# KiCad board Panelized Board.kicad_pcb
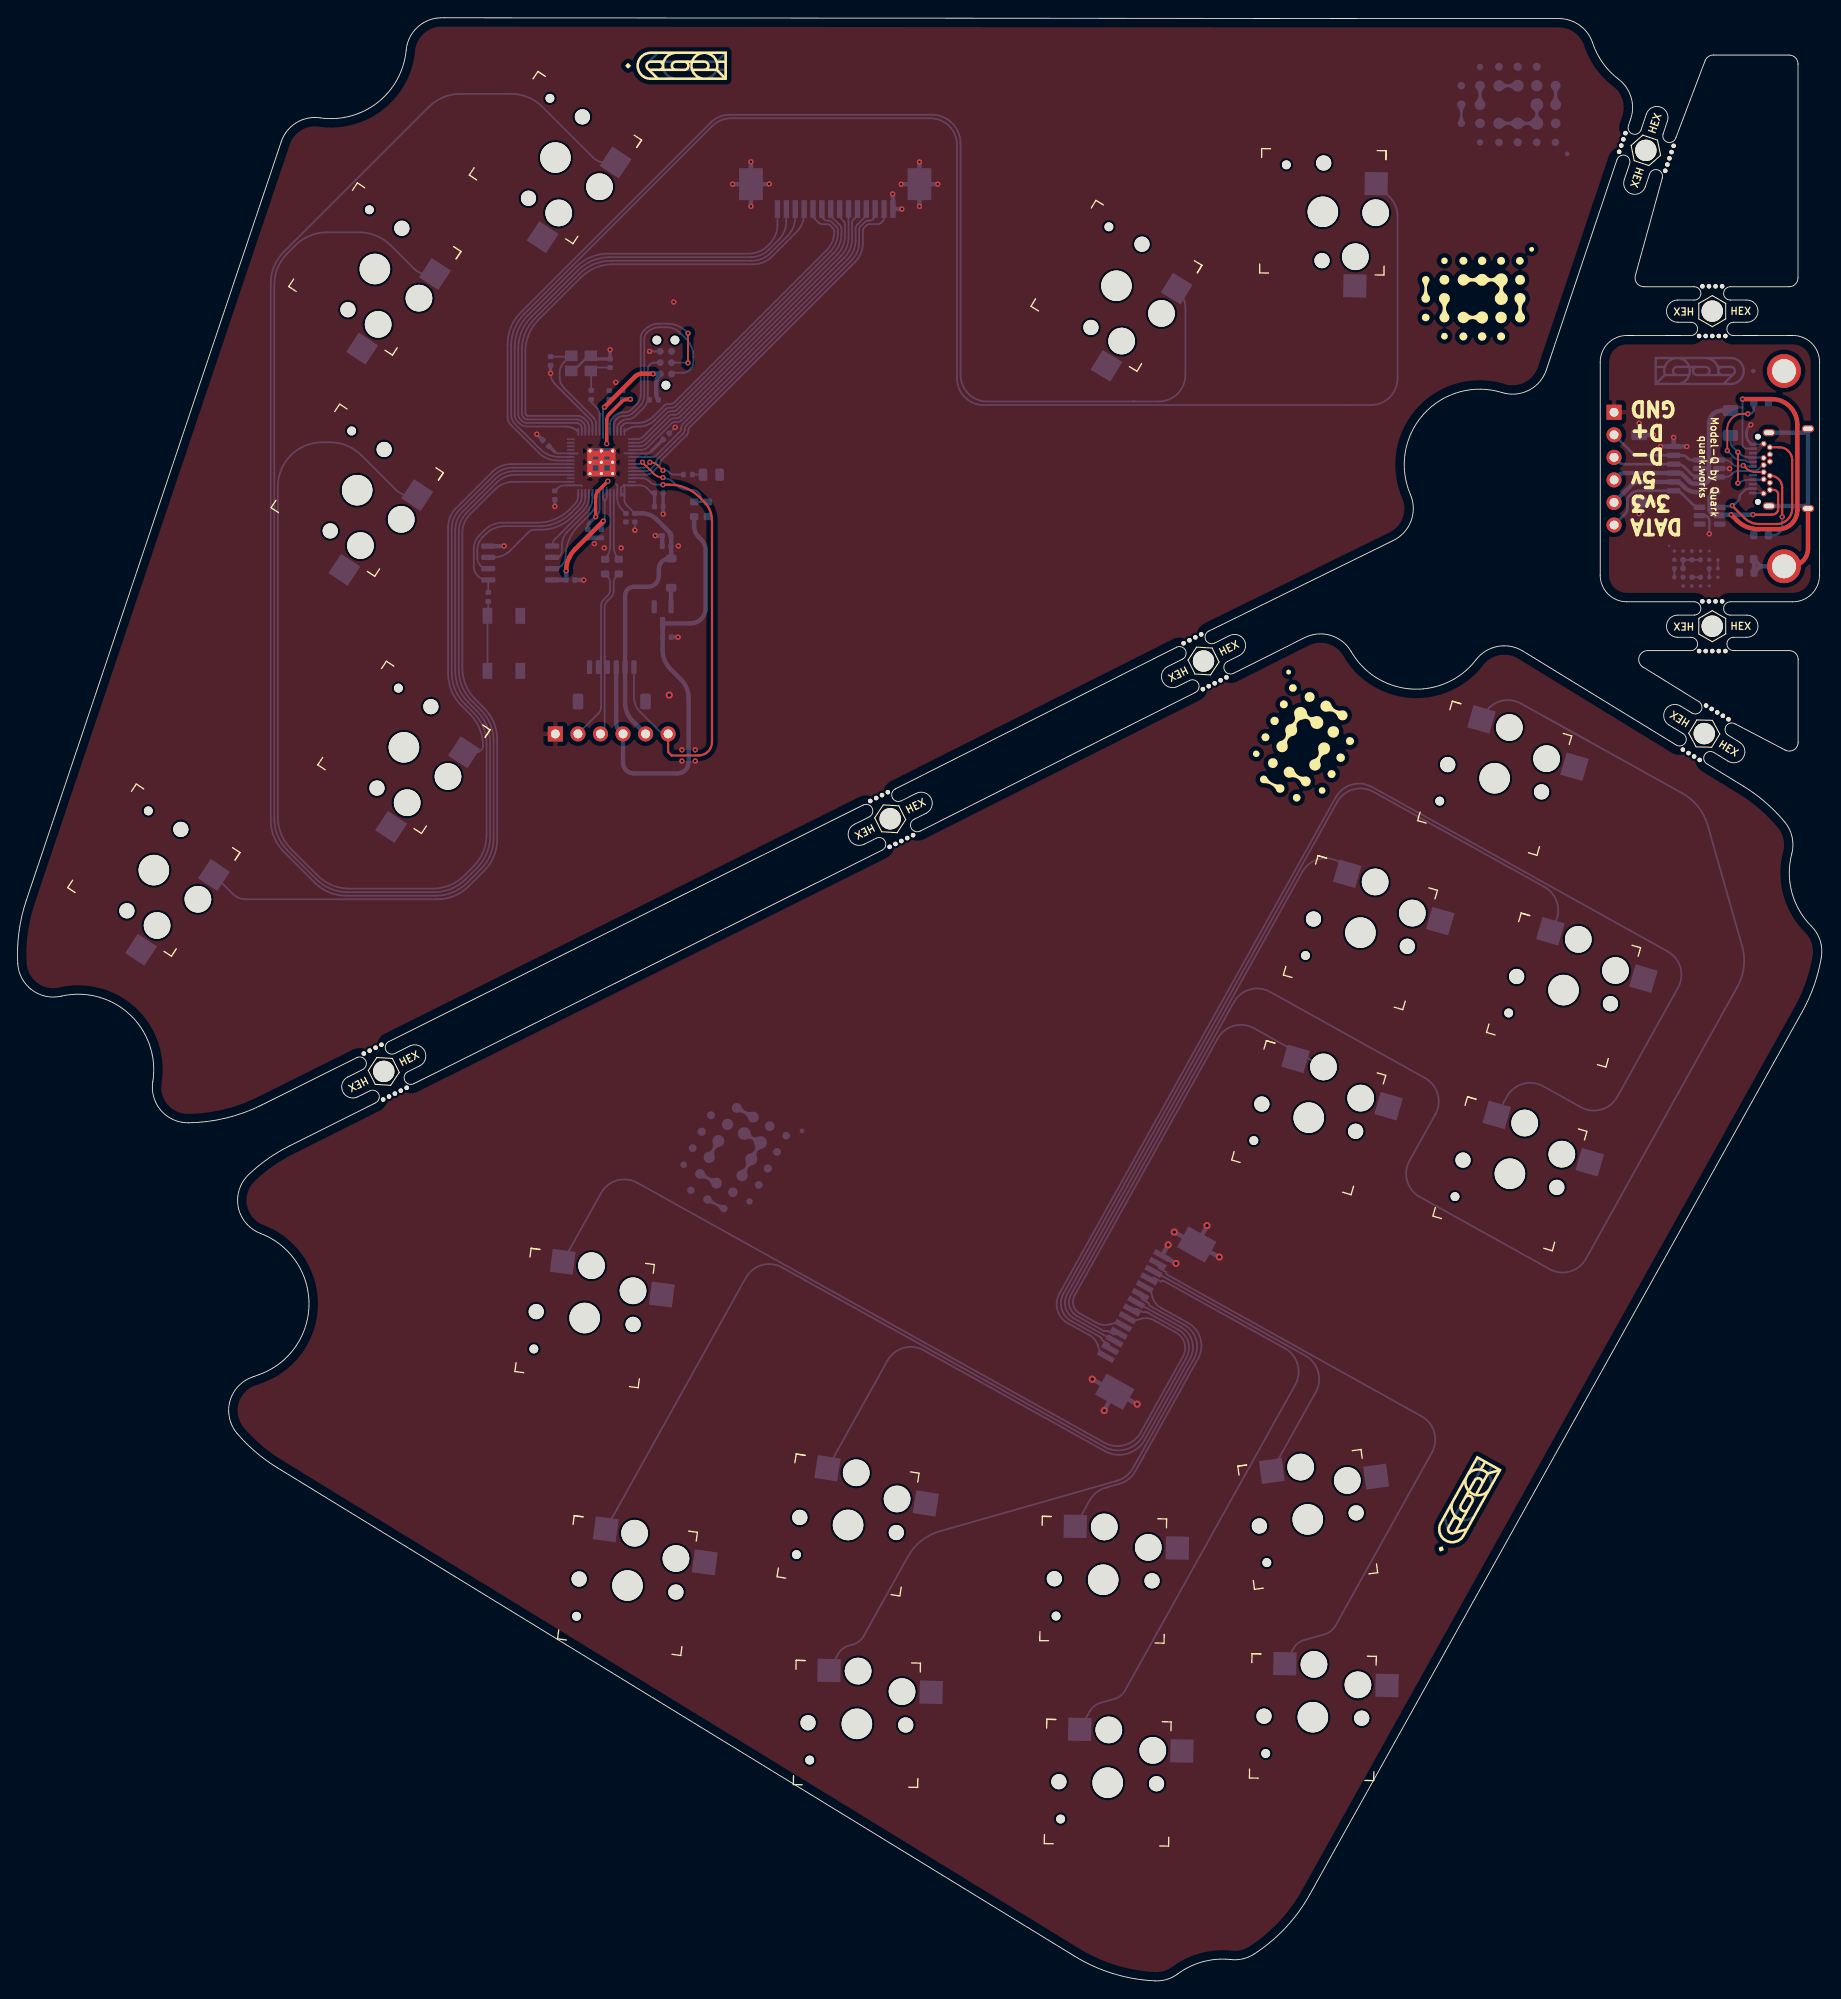
[diagram p0: board, top side]
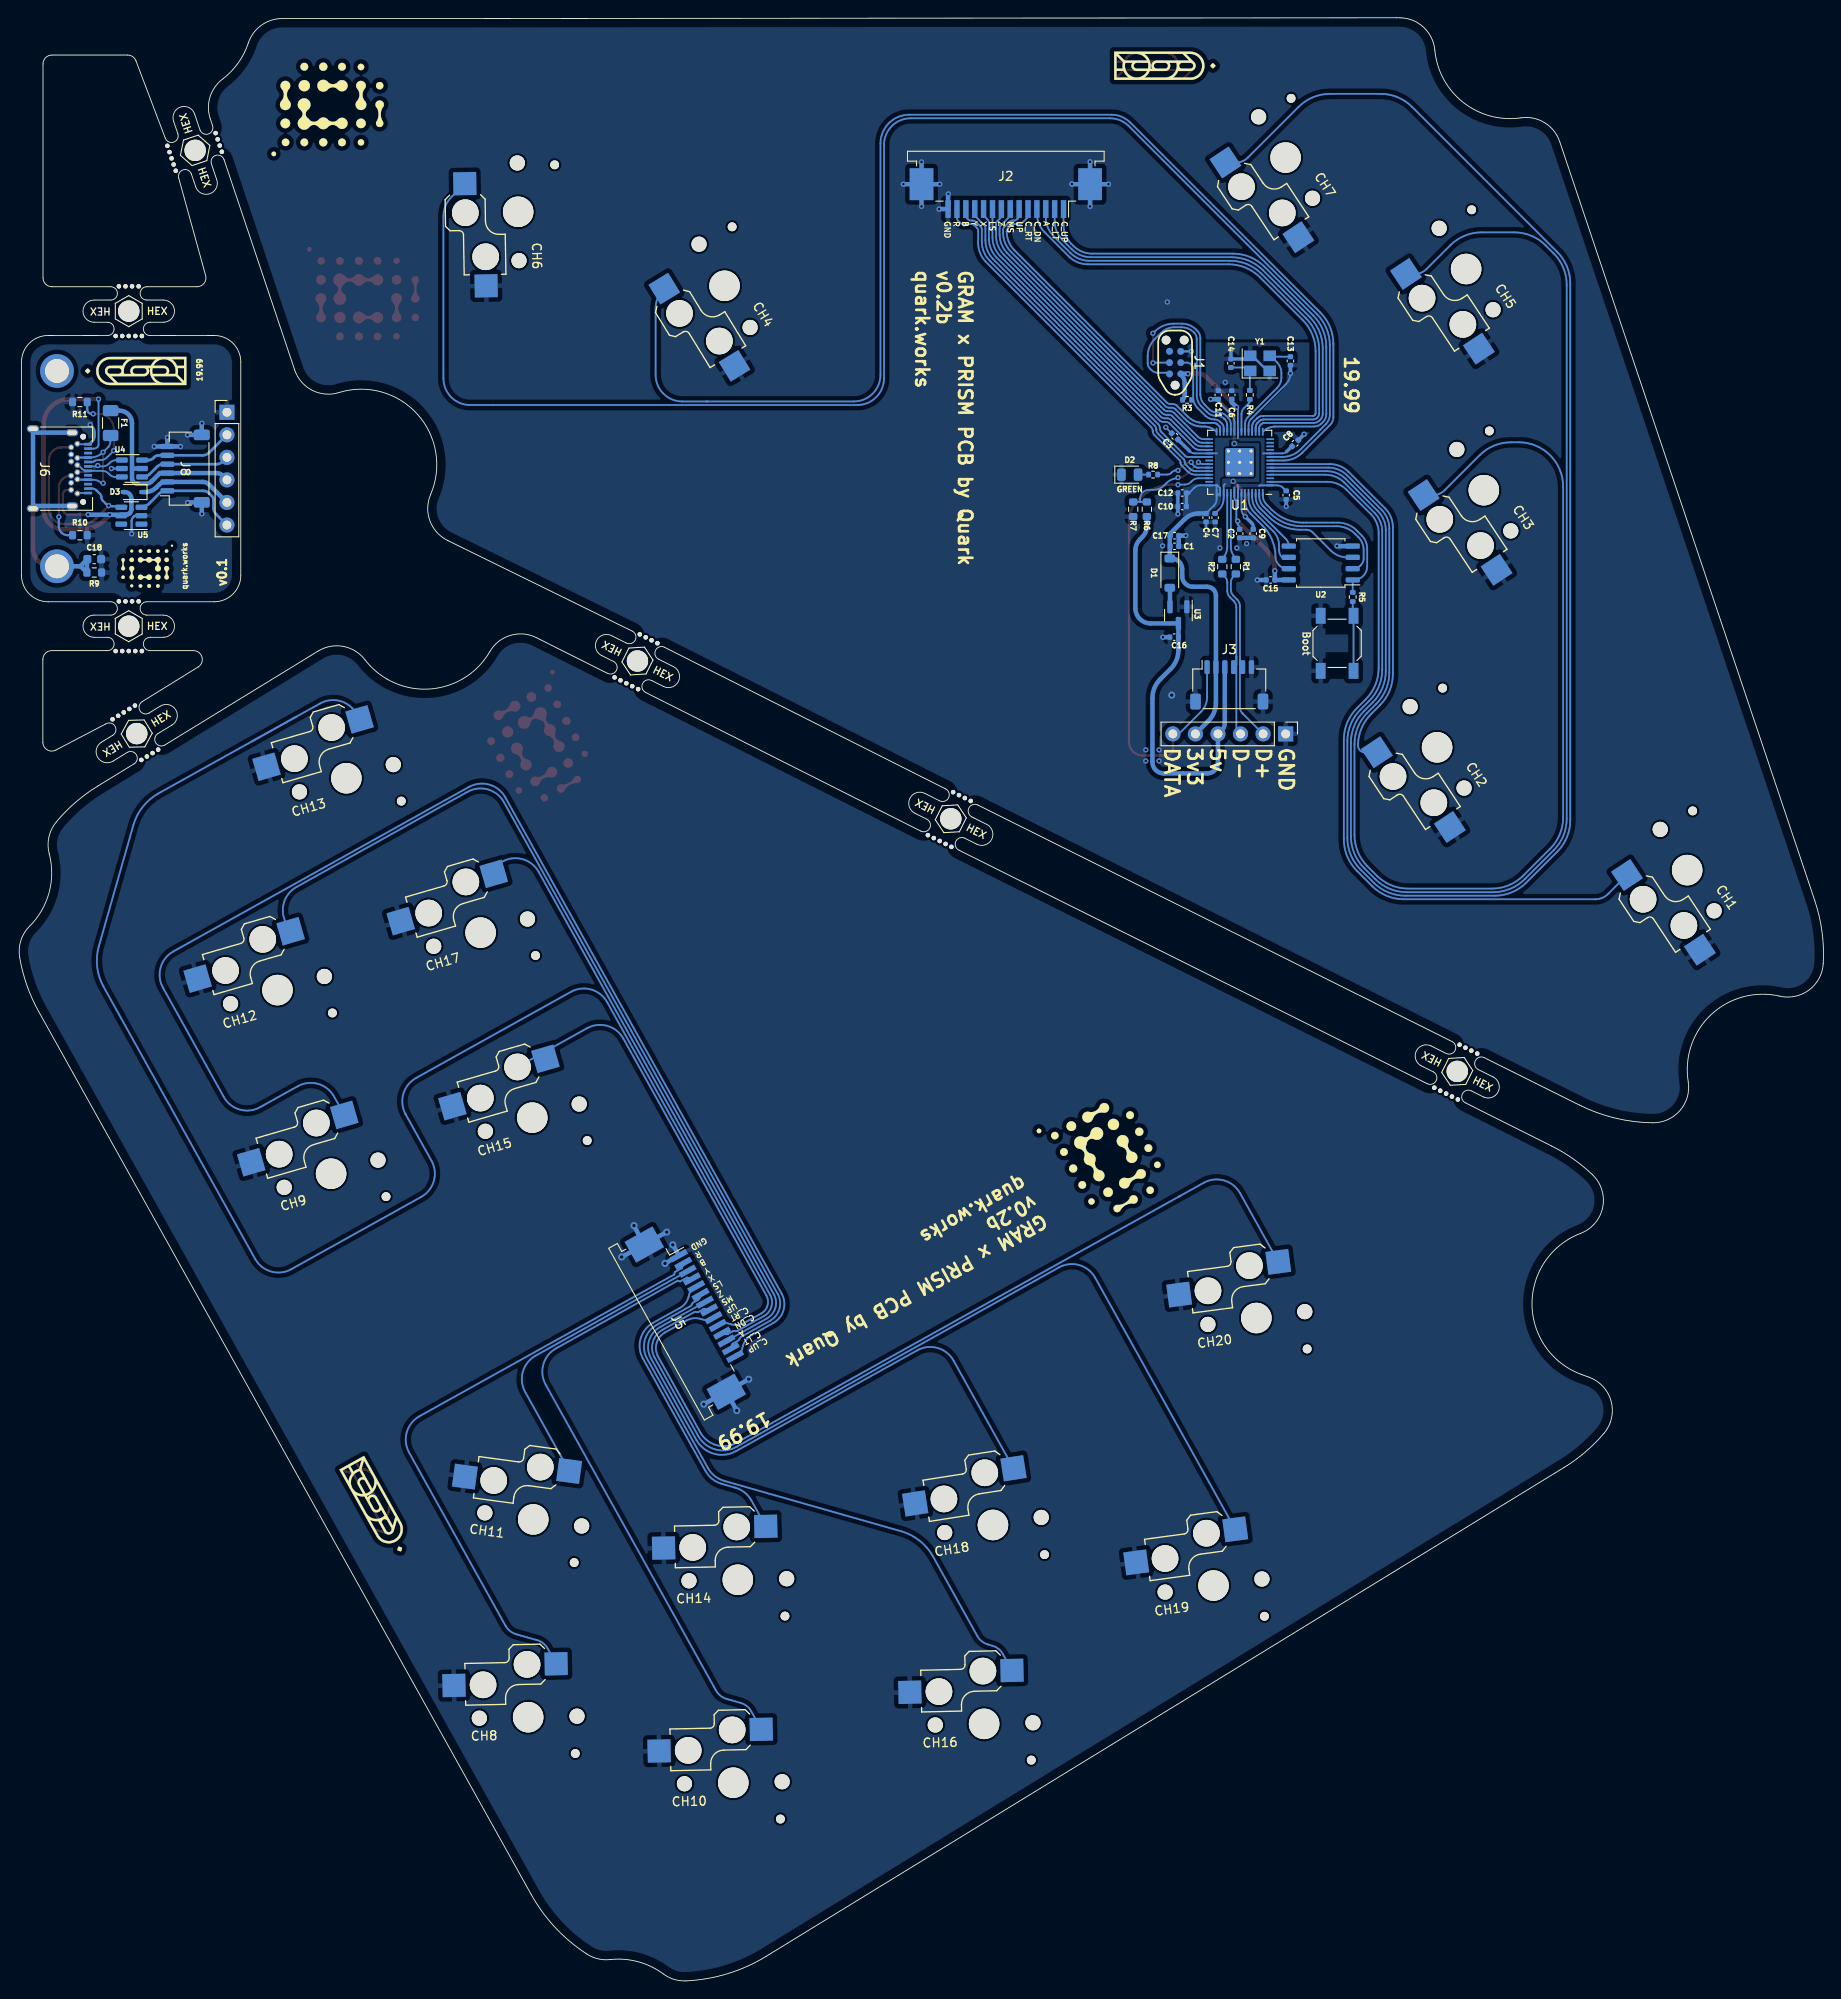
[diagram p1: board, bottom side, seen from below]

Outline 203.3 x 221.18 mm; copper layers: Top, Bottom. Coordinates in mm from the lower left corner of the outline.
Outline path: 27.22,68.35 26.37,68.04 ; 38.17,104.04 27.45,98.7 arc(23.44,97.24) 19.2,96.7 arc(16.13,98.09) 15.21,101.34 arc(12.62,108.9) 4.9,110.97 arc(1.59,111.67) 0,114.64 arc(0.14,118.24) 0.96,121.75 29.67,207.23 arc(31.37,209.36) 34.04,209.91 arc(40.53,211.64) 43.74,217.55 arc(45,220.11) 47.64,221.18 48.04,221.18 154.63,221.09 173.54,221.09 arc(175.88,220.34) 177.34,218.35 arc(178.49,216.08) 180.26,214.26 arc(181.66,212.25) 181.63,209.8 181.37,209.05 ; 29.21,57.86 119.01,2.82 ; 40.3,98.96 30.58,94.09 ; 41.8,105.86 95.19,132.5 ; 97.33,127.42 44.59,101.11 ; 98.82,134.32 130.48,150.27 ; 132.61,145.19 101.62,129.57 ; 134.11,152.09 154.93,162.32 arc(156.9,164.52) 156.82,167.48 arc(158.3,176.53) 167.14,178.96 arc(170.15,179.22) 172.12,181.51 180.08,205.2 ; 144.9,151.36 136.9,147.34 ; 145.47,9.75 200.95,109.24 ; 169.47,149.85 186.74,139.26 ; 188.78,155.39 181.19,155.39 arc(179.07,156.27) 178.19,158.39 178.19,182.39 arc(179.07,184.52) 181.19,185.39 188.41,185.38 ; 185.17,203.09 182.15,192.15 arc(182.32,191.28) 183.11,190.88 188.78,190.88 ; 186.7,207.64 189.99,216.34 arc(190.36,216.8) 190.93,216.98 199.46,216.98 arc(200.17,216.69) 200.46,215.98 200.46,191.88 arc(200.17,191.18) 199.46,190.88 192.84,190.88 ; 188.41,149.89 183.52,149.89 arc(182.56,149.17) 183,148.04 189.3,144.14 ; 190.2,137.14 194.3,134.63 ; 192.84,155.39 199.88,155.39 arc(202.01,156.27) 202.88,158.39 202.88,182.39 arc(202.01,184.52) 199.88,185.39 193.21,185.38 ; 193.21,149.89 199.48,149.89 arc(200.19,149.6) 200.48,148.89 200.48,139.57 arc(200,138.72) 199.02,138.69 193.39,141.64

## Placement (name value [footprint] x y rotation side)
C1  10uF  [C_0402_1005Metric]  73.05 161.64 180 bottom
C2  1uF  [C_0402_1005Metric]  65.71 163.08 270 bottom
C3  100nF  [C_0402_1005Metric]  73.02 174.03 45 bottom
C4  100nF  [C_0402_1005Metric]  69.49 164.87 270 bottom
C5  100nF  [C_0402_1005Metric]  60.48 167.41 270 bottom
C6  100nF  [C_0402_1005Metric]  66.6 178.7 90 bottom
C7  1uF  [C_0402_1005Metric]  68.48 164.87 270 bottom
C8  100nF  [C_0402_1005Metric]  59.46 173.25 135 bottom
C9  100nF  [C_0402_1005Metric]  64.19 163.08 270 bottom
C10  100nF  [C_0402_1005Metric]  72.19 166.12 0 bottom
C11  100nF  [C_0402_1005Metric]  68.12 178.7 90 bottom
C12  100nF  [C_0402_1005Metric]  72.19 167.65 0 bottom
C13  22pF  [C_0402_1005Metric]  60 182.52 90 bottom
C14  22pF  [C_0402_1005Metric]  66.7 182.27 270 bottom
C15  100nF  [C_0402_1005Metric]  62.23 157.85 0 bottom
C16  1uF  [C_0402_1005Metric]  73.09 151.41 180 bottom
C17  1uF  [C_0402_1005Metric]  73.05 162.84 0 bottom
C18  4.7u  [C_0603_1608Metric]  194.69 160.19 180 bottom
CH1  choc_SW_HS  [Kailh_socket_PG1350]  15.32 125.17 56.5 top
CH2  choc_SW_HS  [Kailh_socket_PG1350]  43.48 139 56.5 top
CH3  choc_SW_HS  [Kailh_socket_PG1350]  38.22 167.97 56.5 top
CH4  choc_SW_HS  [Kailh_socket_PG1350]  123.72 190.99 58.5 top
CH5  choc_SW_HS  [Kailh_socket_PG1350]  40.21 192.88 56.5 top
CH6  choc_SW_HS  [Kailh_socket_PG1350]  146.96 199.33 89 top
CH7  choc_SW_HS  [Kailh_socket_PG1350]  60.54 205.43 56.5 top
CH8  choc_SW_HS  [Kailh_socket_PG1350]  145.83 29.75 178.8 top
CH9  choc_SW_HS  [Kailh_socket_PG1350]  168.02 90.96 163.8 top
CH10  choc_SW_HS  [Kailh_socket_PG1350]  122.73 22.36 178.8 top
CH11  choc_SW_HS  [Kailh_socket_PG1350]  145.26 52.02 187.7 top
CH12  choc_SW_HS  [Kailh_socket_PG1350]  174.06 111.65 163.8 top
CH13  choc_SW_HS  [Kailh_socket_PG1350]  166.3 135.52 163.8 top
CH14  choc_SW_HS  [Kailh_socket_PG1350]  122.22 45.23 178.8 top
CH15  choc_SW_HS  [Kailh_socket_PG1350]  145.37 97.28 163.8 top
CH16  choc_SW_HS  [Kailh_socket_PG1350]  94.49 28.99 178.7 top
CH17  choc_SW_HS  [Kailh_socket_PG1350]  151.19 118.12 163.8 top
CH18  choc_SW_HS  [Kailh_socket_PG1350]  93.49 51.4 171.1 top
CH19  choc_SW_HS  [Kailh_socket_PG1350]  68.66 44.57 172.3 top
CH20  choc_SW_HS  [Kailh_socket_PG1350]  63.83 74.71 172.5 top
D1  Schottky Diode  [D_SOD-123]  73.58 158.62 270 bottom
D2  GREEN  [LED_0805_2012Metric]  78.09 169.71 180 bottom
D3  Schottky Diode  [D_SOD-323]  190.36 167.75 0 bottom
F1  500 mA  [Fuse_1206_3216Metric]  192.85 175.53 90 bottom
H1  qw-logo  [qw new logo silk + copper md]  164.4 190.09 90 top
H2  qw-logo  [qw new logo silk + copper md]  168.41 210.86 270 bottom
H3  19.99 logo  [1999 logo md]  74.11 215.56 90 top
H4  19.99 logo  [1999 logo md]  74.11 215.99 270 bottom
H5  qw-logo  [qw new logo silk + copper md]  144.52 139.74 150.9 top
H6  qw-logo  [qw new logo silk + copper md]  80.98 92.92 330.9 bottom
H7  19.99 logo  [1999 logo md]  163.09 53.3 150.9 top
H8  19.99 logo  [1999 logo md]  162.72 53.5 330.9 bottom
H9  MountingHole_Pad  [MountingHole_2.2mm_M2_DIN965_Pad]  198.88 159.39 90 bottom
H10  MountingHole  [MountingHole_2.2mm_M2_DIN965_Pad]  198.88 181.39 90 bottom
H11  qw logo  [qw new logo silk + copper sm]  188.74 159.39 90 bottom
H12  1999 logo  [1999 logo md]  190.05 181.18 90 bottom
H13  MouseBites  [mousebites_5p5mm_easysnap]  97.01 133.41 116.6 top
H14  MouseBites  [mousebites_5p5mm_easysnap]  132.29 151.18 116.6 top
H15  MouseBites  [mousebites_5p5mm_easysnap]  39.98 104.95 116.6 top
H16  MouseBites  [mousebites_5p5mm_easysnap]  190.81 155.39 90 top
H17  MouseBites  [mousebites_5p5mm_easysnap]  190.81 190.88 90 top
H18  MouseBites  [mousebites_5p5mm_easysnap#2]  188.47 138.2 238.5 top
H19  MouseBites  [mousebites_5p5mm_easysnap#3]  180.72 207.12 161.4 top
J1  JTAG_TC2030  [CON_TC2030_outlined]  72.98 182.33 90 bottom
J2  FFC Connector  [TE_1-84953-4_1x14-1MP_P1.0mm_Horizontal]  92.05 201.44 0 bottom
J3  JST Connector  [JST_SH_SM06B-SRSS-TB_1x06-1MP_P1.00mm_Horizontal]  66.89 146.04 180 bottom
J4  DuPont Connector  [PinHeader_1x06_P2.54mm_Vertical]  60.54 140.51 270 bottom
J5  FFC Connector  [TE_1-84953-4_1x14-1MP_P1.0mm_Horizontal]  127.26 75.18 240.9 bottom
J6  USB C Connector  [TYPE-C_24P_QCHT]  203.4 170.39 270 bottom
J7  DuPont Connector  [PinHeader_1x06_P2.54mm_Vertical]  179.75 176.74 180 bottom
J8  JST Connector  [JST_SH_SM06B-SRSS-TB_1x06-1MP_P1.00mm_Horizontal]  184.46 170.39 90 bottom
R1  27  [R_0603_1608Metric]  66.14 159.35 90 bottom
R2  27  [R_0603_1608Metric]  67.67 159.35 90 bottom
R3  10k  [R_0402_1005Metric]  71.63 178.14 180 bottom
R4  1k  [R_0402_1005Metric]  64.57 178.7 270 bottom
R5  1k  [R_0402_1005Metric]  52.98 155.93 90 bottom
R6  5.6k  [R_0603_1608Metric]  76.16 165.82 90 bottom
R7  10k  [R_0603_1608Metric]  77.7 165.82 270 bottom
R8  10k  [R_0402_1005Metric]  75.46 169.72 0 bottom
R9  1M  [R_0603_1608Metric]  194.69 158.69 0 bottom
R10  5.1k  [R_0603_1608Metric]  196.31 162.89 0 bottom
R11  5.1k  [R_0603_1608Metric]  196.31 177.89 0 bottom
SW1  Boot  [SW_SPST_SKQG_WithStem]  54.74 150.71 90 bottom
U1  RP2040  [RP2040-QFN-56]  65.71 171.11 0 bottom
U2  W25Q128JVS  [SOIC-8_5.23x5.23mm_P1.27mm]  56.58 159.76 0 bottom
U3  XC6206  [SOT-23]  72.61 153.9 270 bottom
U4  USBLC6-2SC6  [SOT-23-6]  190.44 170.41 180 bottom
U5  USBLC6-2SC6  [SOT-23-6]  190.51 165.09 0 bottom
Y1  12MHz  [Crystal_SMD_3225-4Pin_3.2x2.5mm]  63.43 182.25 180 bottom

## Library data of the parts
C1 = -: Description: Unpolarized capacitor, small symbol; LCSC: C15525
C2 C7 C16 C17 = -: Description: Unpolarized capacitor, small symbol; LCSC: C52923
C3-C6 C8-C12 C15 = -: Description: Unpolarized capacitor, small symbol; LCSC: C1525
C13 C14 = -: Description: Unpolarized capacitor, small symbol; LCSC: C1555
C18 = -: Description: Unpolarized capacitor, small symbol; LCSC: C19666
CH1-CH20 = -: Description: Push button switch, normally open, two pins, 45° tilted; LCSC: C5333465
D1 = -: Description: Diode, small symbol; LCSC: C8598
D2 = -: Description: Light emitting diode, small symbol; LCSC: C2297
D3 = -: Description: Diode, small symbol; LCSC: C191023; Sim.Device: D; Sim.Pins: 1=K 2=A
F1 = -: Description: Fuse, small symbol; LCSC: C70076
H1-H8 H10-H19 = -: Description: Mounting Hole without connection
H9 = -: Description: Mounting Hole with connection
J1 = -: Description: 6-pin TC2030 connector for JTAG programming
J2 J5 = -: Description: Generic connectable mounting pin connector, single row, 01x14, script generated (kicad-library-utils/schlib/autogen/connector/); LCSC: C376047
J3 = -: Description: Generic connectable mounting pin connector, single row, 01x06, script generated (kicad-library-utils/schlib/autogen/connector/); LCSC: C160405
J4 J7 = -: Description: Generic connector, single row, 01x06, script generated (kicad-library-utils/schlib/autogen/connector/)
J6 = -: Description: USB Full-Featured Type-C Receptacle connector; LCSC: C456013
J8 = -: Description: Generic connector, single row, 01x06, script generated (kicad-library-utils/schlib/autogen/connector/); LCSC: C160405
R1 R2 = -: Description: Resistor, small symbol; LCSC: C25190
R3 R8 = -: Description: Resistor, small symbol; LCSC: C25744
R4 R5 = -: Description: Resistor, small symbol; LCSC: C11702
R6 = -: Description: Resistor, small symbol; LCSC: C23189
R7 = -: Description: Resistor, small symbol; LCSC: C25804
R9 = -: Description: Resistor, small symbol; LCSC: C22935
R10 R11 = -: Description: Resistor, small symbol; LCSC: C23186
SW1 = -: Description: Push button switch, generic, two pins; LCSC: C318884
U1 = -: LCSC: C2040
U2 = -: Description: 128Mb Serial Flash Memory, Standard/Dual/Quad SPI, SOIC-8; LCSC: C97521
U3 = -: Description: Positive 60-250mA Low Dropout Regulator, Fixed Output, SOT-23; LCSC: C5446
U4 U5 = -: Description: Very low capacitance ESD protection diode, 2 data-line, SOT-23-6; LCSC: C7519
Y1 = -: Description: Four pin crystal, GND on pins 2 and 4, small symbol; LCSC: C9002

## Footprints (pads in the part's own frame, mm; a bottom-side part is the same pattern mirrored in y, then rotated)
C_0402_1005Metric
  rrect 0.56x0.62 smd: 1(-0.48,0) 2(0.48,0)
C_0603_1608Metric
  rrect 0.9x0.95 smd: 1(-0.775,0) 2(0.775,0)
CON_TC2030_outlined
  round 0.991 hole 0.991 unplated: (-2.54,0) (2.54,-1.016) (2.54,1.016)
  round 0.787 smd: 1(-1.27,-0.635) 2(-1.27,0.635) 3(0,-0.635) 4(0,0.635) 5(1.27,-0.635) 6(1.27,0.635)
Crystal_SMD_3225-4Pin_3.2x2.5mm
  rect 1.4x1.2 smd: 1(-1.1,-0.85) 2(1.1,-0.85) 3(1.1,0.85) 4(-1.1,0.85)
D_SOD-123
  rrect 0.9x1.2 smd: 1(-1.65,0) 2(1.65,0)
D_SOD-323
  rrect 0.6x0.45 smd: 1(-1.05,0) 2(1.05,0)
Fuse_1206_3216Metric
  rrect 1.25x1.75 smd: 1(-1.4,0) 2(1.4,0)
JST_SH_SM06B-SRSS-TB_1x06-1MP_P1.00mm_Horizontal
  rrect 0.6x1.55 smd: 1(-2.5,2) 2(-1.5,2) 3(-0.5,2) 4(0.5,2) 5(1.5,2) 6(2.5,2)
  rrect 1.2x1.8 smd: MP(-3.8,-1.875) MP(3.8,-1.875)
Kailh_socket_PG1350
  round 1.702 hole 1.702 unplated: (-5.5,0) (5.5,0)
  round 3 hole 3 unplated: (-5,-3.75) (0,-5.95)
  round 3.429 hole 3.429 unplated: (0,0)
  round 0.991 hole 0.991 unplated: (5.22,4.2)
  rect 2.6x2.6 smd far side: 1(3.275,-5.95) 2(-8.275,-3.75)
LED_0805_2012Metric
  rrect 0.975x1.4 smd: 1(-0.938,0) 2(0.938,0)
MountingHole_2.2mm_M2_DIN965_Pad
  round 3.8 hole 2.7: 1(0,0)
mousebites_5p5mm_easysnap
  round 0.5 hole 0.5 unplated: (-5.55,1.48) (-5.55,0.74) (-5.55,0) (-5.55,-0.74) (-5.55,-1.48) (0.05,1.11) (0.05,0.37) (0.05,-0.37) (0.05,-1.11)
  round 2.4 hole 2.4 unplated: (-2.75,0)
mousebites_5p5mm_easysnap#2
  round 0.5 hole 0.5 unplated: (-5.55,1.48) (-5.55,0.74) (-5.55,0) (-5.55,-0.74) (-5.55,-1.48) (0.05,1.11) (0.05,0.37) (0.05,-0.37) (0.05,-1.11)
  round 2.4 hole 2.4 unplated: (-2.75,0)
mousebites_5p5mm_easysnap#3
  round 0.5 hole 0.5 unplated: (-5.55,-0.74) (-5.55,1.48) (-5.55,0.74) (-5.55,0) (-5.55,-1.48) (0.05,-0.37) (0.05,1.11) (0.05,0.37) (0.05,-1.11)
  round 2.4 hole 2.4 unplated: (-2.75,0)
PinHeader_1x06_P2.54mm_Vertical
  rect 1.7x1.7 hole 1: 1(0,0)
  oval 1.7x1.7 hole 1: 2(0,-2.54) 3(0,-5.08) 4(0,-7.62) 5(0,-10.16) 6(0,-12.7)
R_0402_1005Metric
  rrect 0.54x0.64 smd: 1(-0.51,0) 2(0.51,0)
R_0603_1608Metric
  rrect 0.8x0.95 smd: 1(-0.825,0) 2(0.825,0)
RP2040-QFN-56
  rrect 1.084x1.084 smd: (-0.637,-0.637) (-0.637,0.637) (0.637,-0.637) (0.637,0.637)
  rrect 0.875x0.2 smd: 1(-3.438,2.6) 2(-3.438,2.2) 3(-3.438,1.8) 4(-3.438,1.4) 5(-3.438,1) 6(-3.438,0.6) 7(-3.438,0.2) 8(-3.438,-0.2) 9(-3.438,-0.6) 10(-3.438,-1) 11(-3.438,-1.4) 12(-3.438,-1.8) 13(-3.438,-2.2) 14(-3.438,-2.6) 29(3.438,-2.6) 30(3.438,-2.2) 31(3.438,-1.8) 32(3.438,-1.4) 33(3.438,-1) 34(3.438,-0.6) 35(3.438,-0.2) 36(3.438,0.2) 37(3.438,0.6) 38(3.438,1) 39(3.438,1.4) 40(3.438,1.8) 41(3.438,2.2) 42(3.438,2.6)
  rrect 0.2x0.875 smd: 15(-2.6,-3.438) 16(-2.2,-3.438) 17(-1.8,-3.438) 18(-1.4,-3.438) 19(-1,-3.438) 20(-0.6,-3.438) 21(-0.2,-3.438) 22(0.2,-3.438) 23(0.6,-3.438) 24(1,-3.438) 25(1.4,-3.438) 26(1.8,-3.438) 27(2.2,-3.438) 28(2.6,-3.438) 43(2.6,3.438) 44(2.2,3.438) 45(1.8,3.438) 46(1.4,3.438) 47(1,3.438) 48(0.6,3.438) 49(0.2,3.438) 50(-0.2,3.438) 51(-0.6,3.438) 52(-1,3.438) 53(-1.4,3.438) 54(-1.8,3.438) 55(-2.2,3.438) 56(-2.6,3.438)
  round 0.6 hole 0.35: 57(-1.275,-1.275) 57(-1.275,0) 57(-1.275,1.275) 57(0,-1.275) 57(0,0) 57(0,1.275) 57(1.275,-1.275) 57(1.275,0) 57(1.275,1.275)
  rrect 3.2x3.2 smd: 57(0,0)
SOIC-8_5.23x5.23mm_P1.27mm
  rrect 1.6x0.6 smd: 1(-3.6,1.905) 2(-3.6,0.635) 3(-3.6,-0.635) 4(-3.6,-1.905) 5(3.6,-1.905) 6(3.6,-0.635) 7(3.6,0.635) 8(3.6,1.905)
SOT-23
  rrect 1.475x0.6 smd: 1(-0.938,0.95) 2(-0.938,-0.95) 3(0.938,0)
SOT-23-6
  rrect 1.325x0.6 smd: 1(-1.137,0.95) 2(-1.137,0) 3(-1.137,-0.95) 4(1.137,-0.95) 5(1.137,0) 6(1.137,0.95)
SW_SPST_SKQG_WithStem
  rect 1.8x1.1 smd: 1(-3.1,1.85) 1(3.1,1.85) 2(-3.1,-1.85) 2(3.1,-1.85)
TE_1-84953-4_1x14-1MP_P1.0mm_Horizontal
  rect 0.61x2 smd: 1(-6.5,1.8) 2(-5.5,1.8) 3(-4.5,1.8) 4(-3.5,1.8) 5(-2.5,1.8) 6(-1.5,1.8) 7(-0.5,1.8) 8(0.5,1.8) 9(1.5,1.8) 10(2.5,1.8) 11(3.5,1.8) 12(4.5,1.8) 13(5.5,1.8) 14(6.5,1.8)
  rect 2.68x3.6 smd: MP(-9.49,-1) MP(9.49,-1)
TYPE-C_24P_QCHT
  round 0.65 hole 0.65 unplated: (-3.6,7.46) (3.75,7.46)
  rect 0.3x0.9 smd: A1(-2.75,8.02) A2(-2.25,8.02) A3(-1.75,8.02) A4(-1.25,8.02) A5(-0.75,8.02) A6(-0.25,8.02) A7(0.25,8.02) A8(0.75,8.02) A9(1.25,8.02) A10(1.75,8.02) A11(2.25,8.02) A12(2.75,8.02)
  round 0.65 hole 0.4: B1(2.8,6.81) B2(2.4,6.11) B3(1.6,6.11) B4(1.2,6.81) B5(0.8,6.11) B6(0.4,6.81) B7(-0.4,6.81) B8(-0.8,6.11) B9(-1.2,6.81) B10(-1.6,6.11) B11(-2.4,6.11) B12(-2.8,6.81)
  oval 0.8x1.4 hole 0.5x1.1: S1(-4.49,1.82) S1(-4.055,6.21) S1(4.205,6.21) S1(4.49,1.82)